# KiCad board wled-eth.versioned.kicad_pcb
title: WLED chain; date: 2025-12-01; rev: v0.49; company: CuVoodoo; note: King Kévin; note: CERN-OHL-S
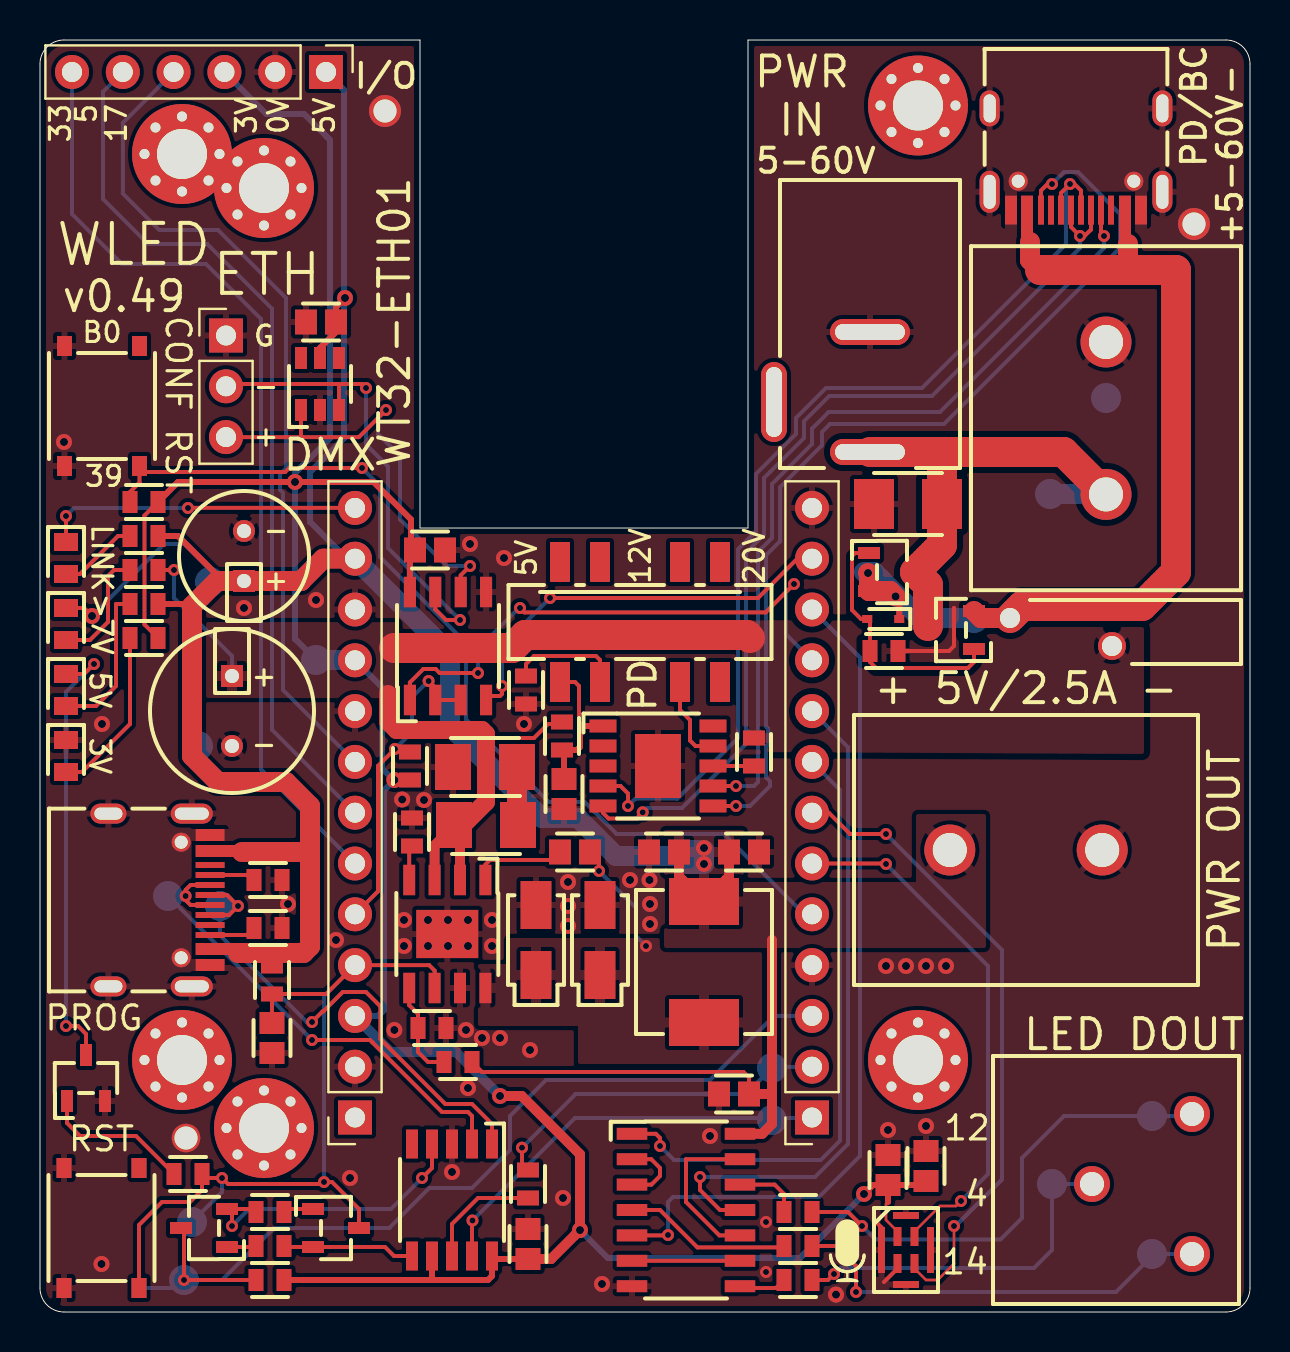
[diagram p0: board, top side]
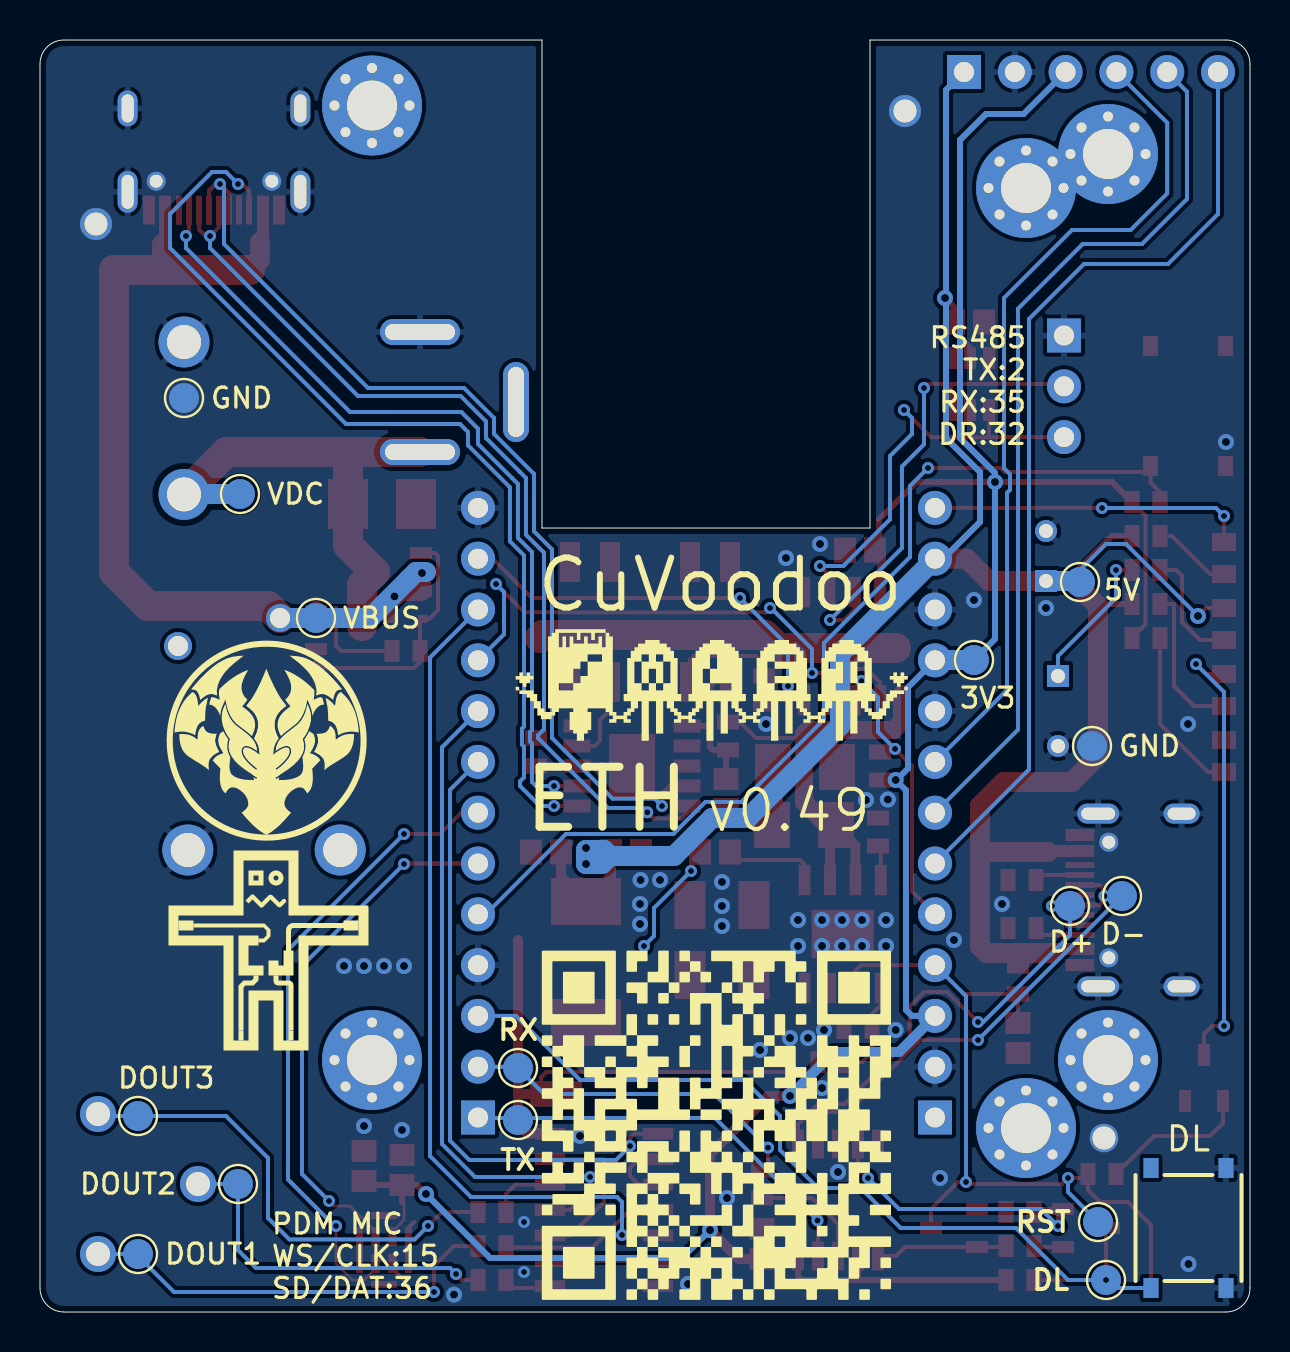
[diagram p1: board, bottom side, seen from below]

Outline 60.5 x 63.6 mm; copper layers: Top, Bottom. Coordinates in mm from the lower left corner of the outline.
Outline path: 0,62.4 0,1.2 arc(0.35,0.35) 1.2,0 59.3,0 arc(60.15,0.35) 60.5,1.2 60.5,62.4 arc(60.15,63.25) 59.3,63.6 35.4,63.6 35.4,39.2 19,39.2 19,63.6 1.2,63.6 arc(0.35,63.25) 0,62.4
Stack: Top 0.035mm / dielectric 1.51mm FR4 er 4.5 / Bottom 0.035mm

## Placement (name value [footprint] x y rotation side)
C1  47uF  [CAPPRD350W50D800H1200N]  9.6 30.05 0 top
C2  0.1uF  [CAPC1608X92N]  26.75 23 90 top
C3  0.1uF  [CAPC1608X92N]  24.4 3.4 180 top
C4  470uF  [CAPPRD250W50D630H700N]  10.2 37.8 180 top
C5  0.1uF  [CAPC1608X92N]  34.7 10.9 90 top
C6  0.1uF  [CAPC1608X92N]  19.5 38.1 270 top
C7  0.1uF  [CAPC1608X92N]  42.4 7.1 0 top
C8  1uF  [CAPC1608X92N]  44.3 7.3 0 top
C9  1uF  [CAPC1608X92N]  26.2 25.9 180 top
C10  10uF  [CAPC3216X180N]  22.3 24.35 90 top
C11  1uF  [CAPC1608X92N]  31.2 23 90 top
C12  1uF  [CAPC1608X92N]  35.2 23 270 top
C13  10uF  [CAPC3216X180N]  22.25 27.25 270 top
C14  1uF  [CAPC1608X92N]  11.6 13.7 180 top
C15  0.1uF  [CAPC1608X92N]  14.05 49.5 90 top
D1  5V6  [SODFL1608X65N]  42.16 34.65 270 top
D2  SS210  [UPM4326X290N]  24.8 18.6 180 top
D3  green  [UPC1608X90N]  1.3 34.4 0 top
D4  green  [UPC1608X90N]  1.3 31.1 0 top
D5  green  [UPC1608X90N]  1.3 27.8 0 top
D6  green  [UPC1608X90N]  1.3 37.7 0 top
D7  SS210  [UPM4326X290N]  28 18.6 180 top
D8  SRV05-4  [SOT95P280X120-6N]  14 46.4 90 top
F1  PTC  [VREG_JK60-185]  51.05 34 0 top
J1  USB-C  [CONNECTOR_USB-C_16P_U263-163N-4BLS1735]  4.2 20.6 90 top
J2  5V_SCREW  [CONNECTOR_MX25C-7.62-02P]  49.3 23.1 180 top
J3  5+V_SCREW  [CONNECTOR_MX25C-7.62-02P]  53.3 44.69 270 top
J4  8+V_JACK  [CONNECTOR_DC-005_2.0]  41.5 49.4 90 top
J5  I/O  [PinHeader_1x06_P2.54mm_Vertical]  14.3 62 270 top  (not fitted)
J6  DMX  [PinHeader_1x03_P2.54mm_Vertical]  9.3 48.83 0 top  (not fitted)
J7  USB-C  [CONNECTOR_USB-C_16P_U263-163N-4BLS1735]  51.8 59.4 0 top
J10  WT32-ETH01_left  [PinSocket_1x13_P2.54mm_Vertical]  15.75 9.72 180 top
J11  WT32-ETH01_right  [PinSocket_1x13_P2.54mm_Vertical]  38.6 9.72 180 top
J12  spring terminal  [CONNECTOR_KF250-3.5-03P-1]  53.8 6.6 270 top
L1  15uH  [INDUCTOR_FXL0630]  33.2 17.5 90 top
NOREF  -  [unnamed]  7.3 8.7 0 top
NOREF#2  -  [unnamed#2]  57.7 54.4 0 top
Q1  S8050  [SOT95P237X112-3N]  14.8 4.2 0 top
Q2  S8050  [SOT95P237X112-3N]  8.2 4.2 180 top
Q3  HL2309  [SOT95P237X112-3N]  42.6 37 0 top
Q4  HL2309  [SOT95P237X112-3N]  45.55 34.1 180 top
Q5  S8050  [SOT95P237X112-3N]  2.3 11.7 90 top
R1  5.1k  [UC1608X55N]  11.4 21.6 90 top
R2  5.1k  [UC1608X55N]  11.4 19.2 90 top
R3  10k  [UC1608X55N]  18.5 27.3 180 top
R4  100  [UC1608X55N]  37.9 3.3 90 top
R5  100  [UC1608X55N]  37.9 1.6 90 top
R6  100  [UC1608X55N]  37.9 5 90 top
R7  47k  [UC1608X55N]  5.2 37.1 270 top
R8  10k  [UC1608X55N]  5.2 35.4 270 top
R9  10k  [UC1608X55N]  5.2 33.7 270 top
R10  10k  [UC1608X55N]  5.2 38.8 270 top
R11  10k  [UC1608X55N]  11.5 3.3 90 top
R12  10k  [UC1608X55N]  11.5 5 270 top
R13  10k  [UC1608X55N]  11.5 1.6 270 top
R14  10k  [UC1608X55N]  5.2 40.5 270 top
R15  100  [UC1608X55N]  24.4 6.4 180 top
R16  100k  [UC1608X55N]  18.6 24 0 top
R17  47k  [UC1608X55N]  20.9 12.5 90 top
R18  8.2k  [UC1608X55N]  19.6 14.2 270 top
R19  1k  [UC1608X55N]  26.1 28.8 0 top
R20  24k  [UC1608X55N]  24.3 31.1 180 top
R21  10k  [UC1608X55N]  42.2 33.05 90 top
R22  100k  [UC1608X55N]  11.6 16.6 180 top
R23  10k  [UC1608X55N]  35.7 28 0 top
R24  10k  [UC1608X55N]  7.4 6.9 270 top
REF**  -  [MountingHole_2.5mm_Pad_Via]  43.9 60.33 0 top
REF**#2  -  [MountingHole_2.5mm_Pad_Via]  11.2 9.2 0 top
REF**#3  -  [MountingHole_2.5mm_Pad_Via]  43.9 12.6 0 top
REF**#4  -  [MountingHole_2.5mm_Pad_Via]  11.2 56.2 0 top
REF**#5  -  [MountingHole_2.5mm_Pad_Via]  7.1 57.9 0 top
REF**#6  -  [MountingHole_2.5mm_Pad_Via]  7.1 12.6 0 top
REF**#7  -  [NPTH]  17.25 60.05 0 top
REF**#8  -  [CuVoodoo_silk]  54.07 23.07 180 bottom
RV1  60V  [VARC3216X190N]  43.4 40.4 270 top
SW1  BTN  [MECHANICAL_TS-1187A]  3.07 4.2 90 top
SW2  BTN  [MECHANICAL_TS-1187A]  3.07 4.2 270 bottom  (not fitted)
SW3  BTN  [MECHANICAL_TS-1187A]  3.1 45.3 90 top
SW4  SW_DP3T  [MECHANICAL_MST23D18G2]  30 34.5 0 top
TP1  GND  [TestPoint_Pad_D1.5mm]  7.9 28.3 180 bottom
TP2  5V  [TestPoint_Pad_D1.5mm]  8.5 36.5 180 bottom
TP3  5+V  [TestPoint_Pad_D1.5mm]  50.5 40.9 180 bottom
TP4  3V3  [TestPoint_Pad_D1.5mm]  13.8 32.6 180 bottom
TP5  VBUS  [TestPoint_Pad_D1.5mm]  46.7 34.7 180 bottom
TP6  D-  [TestPoint_Pad_D1.5mm]  6.4 20.8 180 bottom
TP7  D+  [TestPoint_Pad_D1.5mm]  9 20.3 180 bottom
TP8  RX  [TestPoint_Pad_D1.5mm]  36.6 12.2 180 bottom
TP9  TX  [TestPoint_Pad_D1.5mm]  36.6 9.6 180 bottom
TP10  RST  [TestPoint_Pad_D1.5mm]  7.6 4.5 180 bottom
TP11  DL  [TestPoint_Pad_D1.5mm]  7.2 1.6 180 bottom
TP12  DOUT1  [TestPoint_Pad_D1.5mm]  55.6 2.9 180 bottom
TP13  DOUT2  [TestPoint_Pad_D1.5mm]  50.6 6.4 180 bottom
TP14  DOUT3  [TestPoint_Pad_D1.5mm]  55.6 9.8 180 bottom
TP15  GND  [TestPoint_Pad_D1.5mm]  53.3 45.7 180 bottom
U1  LMR16030  [SOP127P600X170-9N]  20.37 18.9 270 top
U2  CH340K  [SOP100P615X140-11N]  20.6 5.6 270 top
U3  WT32-ETH01  [DEVBOARD_WT32-ETH01]  27.17 30.6 180 top
U4  74HC14D  [SOIC127P600X175-14N]  32.3 5.1 0 top
U5  MP34DT05-A  [SENSOR_MP34DT05-A]  43.3 3.1 0 top
U6  MAX3485ESA  [SOP127P600X175-8N]  20.4 33.3 90 top
U7  CH224K  [SOP100P600X180-11N]  30.9 27.3 0 top

## Library data of the parts
C1 = -: Datasheet: https://datasheet.lcsc.com/lcsc/2110271330_CX-Dongguan-Chengxing-Elec-KM476M100F12RR0VH2FP0_C46895.pdf; Description: AEC 47uF 100V 8x12mm; MPN: KM476M100F12RR0VH2FP0; Manufacturer: CX(Dongguan Chengxing Elec); qeda_part: capacitor/cap_radial; qeda_variant: 8x12; JLCPCB_CORRECTION: 0;0;-90; LCSC: C46895; ki_fp_filters: qeda:CAPPRD350W50D800H1200N
C2 C3 C5-C7 C15 = -: Datasheet: https://datasheet.lcsc.com/lcsc/2211101700_YAGEO-CC0603KRX7R9BB104_C14663.pdf; Description: C0603 0.1uF 50V; qeda_part: capacitor/c0603; JLCPCB_CORRECTION: 0;0;-90; LCSC: C14663; JLCPCB: C14663; DigiKey: 311-1335-1-ND; Manufacturer: YAGEO; MPN: CC0603KRX7R9BB104; manufacturer: YAGEO; mpn: CC0603KRX7R9BB104; ki_fp_filters: qeda:CAPC1608X92N
C4 = -: Description: AEC 470uF 6.3V 6.3x7mm; qeda_part: capacitor/cap_radial; qeda_variant: 6.3x7; LCSC: C43328; ki_fp_filters: qeda:CAPPRD250W50D630H700N
C8 C9 C11 C12 C14 = -: Datasheet: https://datasheet.lcsc.com/lcsc/2304140030_Samsung-Electro-Mechanics-CL10A105KB8NNNC_C15849.pdf; Description: C0603 1uF 50V; qeda_part: capacitor/c0603; JLCPCB_CORRECTION: 0;0;-90; JLCPCB: C15849; Manufacturer: Samsung Electro-Mechanics; MPN: CL10A105KB8NNNC; manufacturer: Samsung Electro-Mechanics; mpn: CL10A105KB8NNNC; ki_fp_filters: qeda:CAPC1608X92N
C10 C13 = -: Datasheet: https://datasheet.lcsc.com/lcsc/2304140030_Samsung-Electro-Mechanics-CL31A106KBHNNNE_C13585.pdf; Description: C1206 10uF 50V; qeda_part: capacitor/c1206; JLCPCB_CORRECTION: 0;0;-90; JLCPCB: C13585; MPN: CL31A106KBHNNNE; Manufacturer: Samsung Electro-Mechanics; ki_fp_filters: qeda:CAPC3216X180N
D1 = -: Description: zener 5.6V 200mW; qeda_part: diode/zener; qeda_variant: sod523; JLCPCB_CORRECTION: 0;0;90; LCSC: C968206; JLCPCB: C19077464; ki_fp_filters: qeda:SODFL1608X65N
D2 D7 = -: Datasheet: https://datasheet.lcsc.com/lcsc/2304140030_MDD-Microdiode-Electronics--SS210_C14996.pdf; Description: schottky 100V 2A; Manufacturer: MDD（Microdiode Electronics）; qeda_part: diode/schottky; qeda_variant: SMA; JLCPCB_CORRECTION: 0;0;-90; LCSC: C14996; JLCPCB: C14996; ki_fp_filters: qeda:UPM4326X290N
D3-D6 = -: Datasheet: https://datasheet.lcsc.com/lcsc/1811101510_Everlight-Elec-19-217-GHC-YR1S2-3T_C72043.pdf; Description: LED green 0603; qeda_part: diode/led0603; JLCPCB_CORRECTION: 0;0;-90; LCSC: C72043; JLCPCB: C2986059; MPN: 19-217/GHC-YR1S2/3T; Manufacturer: Everlight Elec; Sim.Pin: 1=K 2=A; ki_fp_filters: qeda:UPC1608X90N
D8 = -: Datasheet: https://wmsc.lcsc.com/wmsc/upload/file/pdf/v2/lcsc/2506261420_hongjiacheng-SRV05-4A_C20615829.pdf; Description: TVS 4-line 5V; MPN: SRV05-4A; Manufacturer: hongjiacheng; qeda_part: tvs_srv05-4; LCSC: C20615829; JLCPCB: C20615829; ki_fp_filters: qeda:SOT95P280X120-6N
F1 = -: Datasheet: https://omo-oss-file.thefastfile.com/portal-saas/new2022090111484395596/cms/file/96a36e42-2262-4bf8-9c83-71b3fcc4236e.pdf; Description: PTC fuse 3.7A; qeda_part: vreg/fuse_jk60; qeda_variant: 185; LCSC: C369091; MPN: JK60-185; Manufacturer: Jinrui Electronic Materials Co.; ki_fp_filters: qeda:VREG_JK60-185
J1 = -: Datasheet: https://www.helloxkb.com/public/images/pdf/U263-16XN-4BS1735.pdf; Description: USB type-C receptacle 16p, SMD + 4 tabs; JLCPCB: C2931474; JLCPCB_CORRECTION: 0;1.45;180; LCSC: C2931474; qeda_part: connector/usb-c_16p; qeda_variant: U263-163N-4BLS1735; MPN: U263-163N-4BLS1735; Manufacturer: XKB Connection; ki_fp_filters: qeda:CONNECTOR_USB-C_16P_U263-163N-4BLS1735
J2 J3 = -: Datasheet: https://datasheet.lcsc.com/lcsc/2309150931_MAX-MX25C-7-62-02P-BK01-Cu-S-A_C5188509.pdf; Description: barrier terminal, 7.62mm, 2 pos; LCSC: C5188509; MPN: MX25C-7.62-02P-BK01-Cu-S-A; Manufacturer: MAX; manufacturer: MAX; mpn: MX7620-7.62-02P-GN01-Cu-S-A; qeda_part: connector/terminal-barrier_mx25c-7.62; qeda_variant: 2p; ki_fp_filters: qeda:CONNECTOR_MX25C-7.62-02P
J4 = -: Description: DC jack barrel 2x6.4mm; JLCPCB_CORRECTION: -3.4;-2.4;180; LCSC: C16214; qeda_part: connector/barrel_dc-005-2.0; ki_fp_filters: qeda:CONNECTOR_DC-005_2.0
J5 = -: Description: Generic connector, single row, 01x06, script generated (kicad-library-utils/schlib/autogen/connector/); LCSC: C37208; JLCPCB_CORRECTION: 0;6.3;-90; ki_fp_filters: Connector*:*_1x??_*
J6 = -: Description: Generic connector, single row, 01x03, script generated (kicad-library-utils/schlib/autogen/connector/); JLCPCB_CORRECTION: 0;0;-90; ki_fp_filters: Connector*:*_1x??_*
J7 = -: Datasheet: https://www.helloxkb.com/public/images/pdf/U263-16XN-4BS1735.pdf; Description: USB type-C receptacle 16p, SMD + 4 tabs; qeda_part: connector/usb-c_16p; qeda_variant: U263-163N-4BLS1735; JLCPCB_CORRECTION: 0;1.45;180; LCSC: C2931474; JLCPCB: C2931474; MPN: U263-163N-4BLS1735; Manufacturer: XKB Connection; ki_fp_filters: qeda:CONNECTOR_USB-C_16P_U263-163N-4BLS1735
J10 J11 = -: Description: Generic connector, single row, 01x13, script generated (kicad-library-utils/schlib/autogen/connector/); JLCPCB: C2897376; JLCPCB_CORRECTION: 0;15.2;-90; ki_fp_filters: Connector*:*_1x??_*
J12 = -: Datasheet: https://a3.ldycdn.com/KF250-3.5-aidqkBpqKirRljSkrnijolli.pdf; Description: spring terminal block, 3.5mm pitch, vertical, 3-pin; qeda_part: connector/terminal-spring_kf250-3.5; qeda_variant: 3p-1; JLCPCB_CORRECTION: 0.15;-1.3;0; LCSC: C475155; MPN: KF250-3.5-3P-1; Manufacturer: Cixi Kefa Elec; ki_fp_filters: qeda:CONNECTOR_KF250-3.5-03P-1
L1 = -: Datasheet: https://datasheet.lcsc.com/lcsc/2305161117_cjiang--Changjiang-Microelectronics-Tech-FXL0630-150-M_C177243.pdf; Description: 15uH 3A; MPN: FXL0630-150-M; Manufacturer: cjiang (Changjiang Microelectronics Tech); qeda_part: inductor/fxl; qeda_variant: 0603; LCSC: C177243; ki_fp_filters: qeda:INDUCTOR_FXL0630
Q1 Q2 Q5 = -: Datasheet: https://datasheet.lcsc.com/lcsc/2303221100_Jiangsu-Changjing-Electronics-Technology-Co---Ltd--SS8050-RANGE-200-350_C2150.pdf; Description: NPN 25V 1.5A; JLCPCB_CORRECTION: 0;0;180; JLCPCB: C2150; MPN: SS8050(RANGE:200-350); Manufacturer: Jiangsu Changjing Electronics Technology Co., Ltd.; ki_fp_filters: qeda:SOT95P237X112-3N
Q3 Q4 = -: Datasheet: https://wmsc.lcsc.com/wmsc/upload/file/pdf/v2/lcsc/2410010233_hongjiacheng-HL2309_C28646263.pdf; Description: pMOS 60V 1.25A; qeda_part: transistor/pmos_40p05; JLCPCB: C28646263; Manufacturer: hongjiacheng; ki_fp_filters: qeda:SOT95P237X112-3N
R1 R2 = -: Datasheet: resistor, chip, 1.6x0.8 mm; Description: R0603 5.1K 1%; JLCPCB: C23186; JLCPCB_CORRECTION: 0;0;-90; LCSC: C23186; MPN: 0603WAF5101T5E; Manufacturer: UNI-ROYAL(Uniroyal Elec); name: resistor, chip, 1.6x0.8 mm; qeda_part: resistor/r0603; ki_fp_filters: qeda:UC1608X55N
R3 R11-R14 R21 R24 = -: Datasheet: https://datasheet.lcsc.com/lcsc/2206010045_UNI-ROYAL-Uniroyal-Elec-0603WAF1002T5E_C25804.pdf; Description: R0603 10k 1%; qeda_part: resistor/r0603; JLCPCB_CORRECTION: 0;0;-90; name: resistor, chip, 1.6x0.8 mm; LCSC: C25804; Manufacturer: UNI-ROYAL(Uniroyal Elec); MPN: 0603WAF1002T5E; manufacturer: UNI-ROYAL(Uniroyal Elec); mpn: 0603WAF1002T5E; ki_fp_filters: qeda:UC1608X55N
R4-R6 R15 = -: Datasheet: https://datasheet.lcsc.com/lcsc/2206010130_UNI-ROYAL-Uniroyal-Elec-0603WAF1000T5E_C22775.pdf; Description: R0603 100 1%; qeda_part: resistor/r0603; JLCPCB_CORRECTION: 0;0;-90; LCSC: C22775; JLCPCB: C22775; Manufacturer: UNI-ROYAL(Uniroyal Elec); MPN: 0603WAF1000T5E; ki_fp_filters: qeda:UC1608X55N
R7 = -: Datasheet: https://datasheet.lcsc.com/lcsc/2206010045_UNI-ROYAL-Uniroyal-Elec-0603WAF4702T5E_C25819.pdf; Description: R0603 47k 1%; qeda_part: resistor/r0603; JLCPCB_CORRECTION: 0;0;-90; LCSC: C25804; JLCPCB: C25819; MPN: 0603WAF4702T5E; Manufacturer: UNI-ROYAL(Uniroyal Elec); ki_fp_filters: qeda:UC1608X55N
R8-R10 R23 = -: Datasheet: https://datasheet.lcsc.com/lcsc/2206010045_UNI-ROYAL-Uniroyal-Elec-0603WAF1002T5E_C25804.pdf; Description: R0603 10k 1%; qeda_part: resistor/r0603; JLCPCB_CORRECTION: 0;0;-90; LCSC: C25804; MPN: 0603WAF1002T5E; Manufacturer: UNI-ROYAL(Uniroyal Elec); ki_fp_filters: qeda:UC1608X55N
R16 R22 = -: Datasheet: https://datasheet.lcsc.com/lcsc/2206010045_UNI-ROYAL-Uniroyal-Elec-0603WAF1003T5E_C25803.pdf; Description: R0603 100k 1%; MPN: 0603WAF1003T5E; Manufacturer: UNI-ROYAL(Uniroyal Elec); qeda_part: resistor/r0603; JLCPCB_CORRECTION: 0;0;-90; LCSC: C25803; JLCPCB: C25803; ki_fp_filters: qeda:UC1608X55N
R17 = -: Datasheet: https://datasheet.lcsc.com/lcsc/2206010045_UNI-ROYAL-Uniroyal-Elec-0603WAF4702T5E_C25819.pdf; Description: R0603 47k 1%; MPN: 0603WAF4702T5E; Manufacturer: UNI-ROYAL(Uniroyal Elec); qeda_part: resistor/r0603; JLCPCB_CORRECTION: 0;0;-90; JLCPCB: C25819; ki_fp_filters: qeda:UC1608X55N
R18 = -: Datasheet: https://datasheet.lcsc.com/lcsc/2206010045_UNI-ROYAL-Uniroyal-Elec-0603WAF8201T5E_C25981.pdf; Description: R0603 8.2k; MPN: 0603WAF8201T5E; Manufacturer: UNI-ROYAL(Uniroyal Elec); qeda_part: resistor/r0603; JLCPCB_CORRECTION: 0;0;-90; LCSC: C25981; JLCPCB: C25981; ki_fp_filters: qeda:UC1608X55N
R19 = -: Datasheet: https://datasheet.lcsc.com/lcsc/2206010130_UNI-ROYAL-Uniroyal-Elec-0603WAF1001T5E_C21190.pdf; Description: R0603 1k 1%; qeda_part: resistor/r0603; JLCPCB_CORRECTION: 0;0;-90; LCSC: C21190; JLCPCB: C21190; MPN: 0603WAF1001T5E; Manufacturer: UNI-ROYAL(Uniroyal Elec); ki_fp_filters: qeda:UC1608X55N
R20 = -: Datasheet: https://datasheet.lcsc.com/lcsc/2206010100_UNI-ROYAL-Uniroyal-Elec-0603WAF2402T5E_C23352.pdf; Description: R0603 24k; qeda_part: resistor/r0603; JLCPCB_CORRECTION: 0;0;-90; LCSC: C23352; MPN: 0603WAF2402T5E; Manufacturer: UNI-ROYAL(Uniroyal Elec); ki_fp_filters: qeda:UC1608X55N
RV1 = -: Datasheet: https://wmsc.lcsc.com/wmsc/upload/file/pdf/v2/lcsc/2504101957_RUILON-Shenzhen-Ruilongyuan-Elec-RL1206A120K_C44447642.pdf; Description: MOV varistor 60V; Sim.Name: kicad_builtin_varistor; Sim.Device: SUBCKT; Sim.Pins: 1=A 2=B; Sim.Params: threshold=1k; MPN: RL1206A120K; Manufacturer: RUILON(Shenzhen Ruilongyuan Elec); qeda_part: resistor/varistor_mov; qeda_variant: 1206; JLCPCB_CORRECTION: 0;0;-90; LCSC: C44447642; ki_fp_filters: qeda:VARC3216X190N
SW1-SW3 = -: Datasheet: https://www.helloxkb.com/public/images/pdf/TS-1187A-X-X-X.pdf; Description: SMD, momentary, 5.1x5.1mm, 50mA@12VDC; MPN: TS-1187A-B-A-B; Manufacturer: XKB; qeda_part: mechanical/smd-button_tx-1187a; LCSC: C318884; JLCPCB: C318884; ki_fp_filters: qeda:MECHANICAL_TS-1187A
SW4 = -: Datasheet: https://datasheet.lcsc.com/lcsc/2110190930_SHOU-HAN-MST23D18G2-125_C2906281.pdf; Description: switch DP3T; qeda_part: mechanical/switch_mst23d18g2; LCSC: C2906281; MPN: MST23D18G2 125; Manufacturer: SHOU HAN; ki_fp_filters: qeda:MECHANICAL_MST23D18G2
TP1-TP15 = -: Description: test point; ki_fp_filters: Pin* Test*
U1 = -: Datasheet: https://www.ti.com/lit/gpn/lmr16030; Description: buck 4.53-60V 3A; MPN: LMR16030PDDAR; Manufacturer: Texas Instruments; qeda_part: vreg/buck_lmr16030; qeda_variant: PDDAR; JLCPCB_CORRECTION: 0;0;-90; LCSC: C90665; ki_fp_filters: qeda:SOP127P600X170-9N
U2 = -: Datasheet: http://www.wch-ic.com/downloads/file/79.html; Description: USB to UART transceiver; Manufacturer: WCH; qeda_part: ic/usb-serial_ch340; qeda_variant: K; JLCPCB_CORRECTION: 0;0;-90; LCSC: C968586; ki_fp_filters: qeda:SOP100P615X140-11N
U3 = -: Datasheet: https://img01.71360.com/file/read/www2/M00/58/3F/rBwBEmRwFCWAaOK7AAvlVcuqEQk621.pdf?dl=1&dlf=WT32-ETH01_datasheet_V1.3+-+en.pdf; Description: ESP32 board with ethernet; qeda_part: devboard/wt32-eth01; LCSC: C477837; ki_fp_filters: qeda:DEVBOARD_WT32-ETH01
U4 = -: Datasheet: https://assets.nexperia.com/documents/data-sheet/74HC_HCT14.pdf; Description: 6x schmitt trigger inverter; qeda_part: ic/inverter_74hc14; qeda_variant: D; JLCPCB_CORRECTION: 0;0;-90; JLCPCB: C5605; MPN: 74HC14D,653; Manufacturer: Nexperia; ki_fp_filters: qeda:SOIC127P600X175-14N
U5 = -: Datasheet: https://www.st.com/resource/en/datasheet/mp34dt05-a.pdf; Description: MEMS microphone with PDM; JLCPCB_CORRECTION: 0;0;180; LCSC: C2688664; MPN: MP34DT05TR-A; Manufacturer: STMicroelectronics; manufacturer: STMicroelectronics; mpn: MP34DT05TR-A; qeda_part: sensor/microphone-pdm_mp34dt05-a; ki_fp_filters: qeda:SENSOR_MP34DT05-A
U6 = -: Datasheet: https://www.analog.com/media/en/technical-documentation/data-sheets/MAX3483-MAX3491.pdf; Description: RS-485 transceiver, 3V; qeda_part: ic/rs485_mx3485; qeda_variant: esa; JLCPCB_CORRECTION: 0;0;-90; LCSC: C2841835; ki_fp_filters: qeda:SOP127P600X175-8N
U7 = -: Datasheet: https://www.wch-ic.com/downloads/CH224DS1_PDF.html; Description: USB PD sink; qeda_part: ic/pd_wch_ch224; qeda_variant: K; JLCPCB_CORRECTION: 0;0;-90; LCSC: C970725; Manufacturer: WCH; ki_fp_filters: qeda:SOP100P600X180-11N

## Footprints (pads in the part's own frame, mm; a bottom-side part is the same pattern mirrored in y, then rotated)
CAPC1608X92N
  rect 1.25x1.1 smd: 1(0,0.75) 2(0,-0.75)
CAPC3216X180N
  rect 2.3x1.8 smd: 1(0,1.6) 2(0,-1.6)
CAPPRD250W50D630H700N
  rect 1.1x1.1 hole 0.7: 1(0,1.25)
  round 1.1 hole 0.7: 2(0,-1.25)
CAPPRD350W50D800H1200N
  rect 1.1x1.1 hole 0.7: 1(0,1.75)
  round 1.1 hole 0.7: 2(0,-1.75)
CONNECTOR_DC-005_2.0
  oval 1.3x4 hole 0.8x3.5: 1(-6.4,0) 2(-0.4,0)
  oval 4x1.3 hole 3.5x0.8: 3(-3.9,4.8)
CONNECTOR_KF250-3.5-03P-1
  round 1.8 hole 1.2: 1(-3.3,3.8) 2(0.2,-1.2) 3(3.7,3.8)
CONNECTOR_MX25C-7.62-02P
  round 2.55 hole 1.7: 1(-3.81,0) 2(3.81,0)
CONNECTOR_USB-C_16P_U263-163N-4BLS1735
  rect 0.3x1.45 smd: A1(3.4,-4.305) A4(2.6,-4.305) A5(1.25,-4.305) A6(0.25,-4.305) A7(-0.25,-4.305) A8(-1.25,-4.305) A9(-2.6,-4.305) A12(-3.4,-4.305) B1(-3.1,-4.305) B4(-2.3,-4.305) B5(-1.75,-4.305) B6(-0.75,-4.305) B7(0.75,-4.305) B8(1.75,-4.305) B9(2.3,-4.305) B12(3.1,-4.305)
  oval 1x1.8 hole 0.6x1.4: S1(-4.32,0.78) S1(4.32,0.78)
  oval 1x2.1 hole 0.6x1.7: S1(-4.32,-3.39) S1(4.32,-3.39)
  round 0.95 hole 0.65: S1(-2.89,-2.86) S1(2.89,-2.86)
INDUCTOR_FXL0630
  rect 2.35x3.5 smd: 1(-3.025,0) 2(3.025,0)
MECHANICAL_MST23D18G2
  rect 1x2 smd: 1(-4,-3) 2(-2,-3) 3(2,-3) 4(4,-3) 5(-4,3) 6(-2,3) 7(2,3) 8(4,3)
MECHANICAL_TS-1187A
  rect 1x0.75 smd: 1(-3,1.875) 2(3,1.875) 3(-3,-1.875) 4(3,-1.875)
MountingHole_2.5mm_Pad_Via
  round 0.8 hole 0.5: 1(-1.875,0) 1(-1.326,1.326) 1(-1.326,-1.326) 1(0,1.875) 1(0,-1.875) 1(1.326,1.326) 1(1.326,-1.326) 1(1.875,0)
  round 5 hole 2.5: 1(0,0)
NPTH
  round 1.6 hole 1.152: (0,0)
PinHeader_1x03_P2.54mm_Vertical
  rect 1.7x1.7 hole 1: 1(0,0)
  oval 1.7x1.7 hole 1: 2(0,-2.54) 3(0,-5.08)
PinHeader_1x06_P2.54mm_Vertical
  rect 1.7x1.7 hole 1: 1(0,0)
  oval 1.7x1.7 hole 1: 2(0,-2.54) 3(0,-5.08) 4(0,-7.62) 5(0,-10.16) 6(0,-12.7)
PinSocket_1x13_P2.54mm_Vertical
  rect 1.7x1.7 hole 1: 1(0,0)
  oval 1.7x1.7 hole 1: 2(0,-2.54) 3(0,-5.08) 4(0,-7.62) 5(0,-10.16) 6(0,-12.7) 7(0,-15.24) 8(0,-17.78) 9(0,-20.32) 10(0,-22.86) 11(0,-25.4) 12(0,-27.94) 13(0,-30.48)
SENSOR_MP34DT05-A
  rect 0.4x0.95 smd: 1(-0.425,0.675) 2(-0.425,-0.675) 3(0.425,-0.675) 4(0.425,0.675)
  rect 0.35x2.3 smd: 5(-1.225,0) 5(1.225,0)
  rect 1.3x0.35 smd: 5(0,1.725) 5(0,-1.725)
SODFL1608X65N
  rect 0.4x0.5 smd: 1(0,0.8) 2(0,-0.8)
SOIC127P600X175-14N
  rect 1.525x0.6 smd: 1(-2.7,3.81) 2(-2.7,2.54) 3(-2.7,1.27) 4(-2.7,0) 5(-2.7,-1.27) 6(-2.7,-2.54) 7(-2.7,-3.81) 8(2.7,-3.81) 9(2.7,-2.54) 10(2.7,-1.27) 11(2.7,0) 12(2.7,1.27) 13(2.7,2.54) 14(2.7,3.81)
SOP100P600X180-11N
  rect 1.35x0.65 smd: 1(-2.75,2) 2(-2.75,1) 3(-2.75,0) 4(-2.75,-1) 5(-2.75,-2) 6(2.75,-2) 7(2.75,-1) 8(2.75,0) 9(2.75,1) 10(2.75,2)
  rect 2.3x3.2 smd: 11(0,0)
SOP100P615X140-11N
  rect 1.45x0.6 smd: 1(-2.8,2) 2(-2.8,1) 3(-2.8,0) 4(-2.8,-1) 5(-2.8,-2) 6(2.8,-2) 7(2.8,-1) 8(2.8,0) 9(2.8,1) 10(2.8,2)
SOP127P600X170-9N
  rect 1.525x0.6 smd: 1(-2.7,1.905) 2(-2.7,0.635) 3(-2.7,-0.635) 4(-2.7,-1.905) 5(2.7,-1.905) 6(2.7,-0.635) 7(2.7,0.635) 8(2.7,1.905)
  rect 2.41x3.1 smd: 9(0,0)
SOP127P600X175-8N
  rect 1.525x0.6 smd: 1(-2.7,1.905) 2(-2.7,0.635) 3(-2.7,-0.635) 4(-2.7,-1.905) 5(2.7,-1.905) 6(2.7,-0.635) 7(2.7,0.635) 8(2.7,1.905)
SOT95P237X112-3N
  rect 1.1x0.6 smd: 1(-1.15,0.95) 2(-1.15,-0.95) 3(1.15,0)
SOT95P280X120-6N
  rect 1.1x0.6 smd: 1(-1.3,0.95) 2(-1.3,0) 3(-1.3,-0.95) 4(1.3,-0.95) 5(1.3,0) 6(1.3,0.95)
TestPoint_Pad_D1.5mm
  round 1.5 smd: 1(0,0)
UC1608X55N
  rect 1.1x0.75 smd: 1(0,0.7) 2(0,-0.7)
unnamed
  round 1.43 hole 1.152: e(0,0)
unnamed#2
  round 1.6 hole 1.152: (0,0)
UPC1608X90N
  rect 1.2x0.9 smd: 1(0,0.8) 2(0,-0.8)
UPM4326X290N
  rect 1.55x2.4 smd: 1(0,1.75) 2(0,-1.75)
VARC3216X190N
  rect 2.5x2 smd: 1(0,1.7) 2(0,-1.7)
VREG_JK60-185
  round 1.4 hole 1: 1(-2.55,0.7) 2(2.55,-0.7)

## Nets
+3.3V: C3.1 C6.2 C7.2 C8.2 J5.3 J10.3 J10.10 R3.1 R9.1 R13.1 R14.1 TP4.1 U2.7 U2.10 U5.1 U6.8
+5V: C4.1 C5.2 C11.2 C12.2 C15.2 D3.1 D8.5 J1.A4 J1.A9 J1.B4 J1.B9 J2.2 J5.1 J10.12 L1.2 R8.1 R10.1 R17.2 R22.2 TP2.1 U4.14
/VBUS: D1.1 F1.1 J7.A4 J7.A9 J7.B4 J7.B9 Q3.2 Q4.2 TP5.1
GND: C1.2 C3.2 C4.2 C5.1 C6.1 C7.1 C8.1 C9.1 C11.1 C12.1 C13.2 C14.1 C15.1 D2.2 D5.1 D7.2 D8.2 J1.A1 J1.A12 J1.B1 J1.B12 J1.S1 J2.1 J3.1 J4.2 J5.2 J6.1 J7.A1 J7.A12 J7.B1 J7.B12 J7.S1 J10.2 J10.9 J10.11 J11.4 J11.13 NOREF.e NOREF#2. Q5.2 R1.2 R2.2 R16.1 R18.1 R20.1 R21.2 REF**#7. RV1.2 SW1.1 SW1.2 SW2.1 SW2.2 SW3.1 SW3.2 TP1.1 TP15.1 U1.7 U1.9 U2.3 U4.7 U5.2 U5.5 U6.5 U7.11
VDD: C9.2 R19.2 SW4.1 U7.1
/CC1: J7.A5 U7.7
/CC2: J7.B5 U7.6
/D1+: D8.1 J6.3 U6.6
/D1-: D8.3 J6.2 U6.7
/D+: J1.A6 J1.B6 TP7.1 U2.1
/D-: J1.A7 J1.B7 TP6.1 U2.2
/DL: J11.3 Q2.3 R13.2 SW2.4 TP11.1
/DMX_RTS: J10.5 R3.2 U6.2 U6.3
/DMX_RX: J11.10 U6.1
/DMX_TX: J11.12 U6.4
/DOUT1: J11.8 U4.1
/DOUT1_5V: R4.1 U4.4
/DOUT1_INV: U4.2 U4.3
/DOUT2: J11.11 U4.5
/DOUT2_5V: R5.1 U4.8
/DOUT2_INV: U4.6 U4.9
/DOUT3: J11.9 U4.11
/DOUT3_5V: R6.1 U4.12
/DOUT3_INV: U4.10 U4.13
/DTR: Q2.2 R12.2 U2.4
/IO1: J5.6 J10.6
/IO2: J5.5 J10.7
/IO3: J5.4 J10.8
/LINK: D6.1 J10.13
/PDM_CLK: J11.7 U5.3
/PDM_DAT: J11.6 U5.4
/RST: C14.2 J10.4 Q1.3 R22.1 R24.1 SW1.3 TP10.1 U1.6
/RTS: Q1.2 R11.2 U2.6
/RX: J11.2 R15.2 TP8.1
/SW: C2.2 D2.1 D7.1 L1.1 U1.8
/TX: J11.1 TP9.1 U2.9
/VFUSE: C1.1 C10.1 F1.2 R7.1 R19.1 R23.1 U1.2 U1.3
VDC: J3.2 J4.1 Q3.3 Q4.3 RV1.1 TP3.1
Net-(C10-Pad2): C10.2 C13.1
Net-(D1-A): D1.2 Q3.1 Q4.1 R21.1
Net-(D3-A): D3.2 R7.2
Net-(D4-A): D4.2 R8.2
Net-(D4-K): D4.1 Q5.3
Net-(D5-A): D5.2 R9.2
Net-(D6-A): D6.2 R10.2
Net-(J1-CC1): J1.A5 R1.1
Net-(J1-CC2): J1.B5 R2.1
Net-(J11-Pin_5): J11.5 R14.2 SW3.3
Net-(J12-Pin_1): J12.1 R6.2 TP14.1
Net-(J12-Pin_2): J12.2 R5.2 TP13.1
Net-(J12-Pin_3): J12.3 R4.2 TP12.1
Net-(Q1-B): Q1.1 R12.1
Net-(Q2-B): Q2.1 R11.1
Net-(Q5-B): Q5.1 R24.2
Net-(R15-L): R15.1 U2.8
Net-(R16-R): R16.2 U1.4
Net-(R17-L): R17.1 R18.2 U1.5
Net-(R20-R): R20.2 SW4.2
Net-(R23-R): R23.2 U7.8
Net-(U1-BOOT): C2.1 U1.1
Net-(U7-CFG1): SW4.3 U7.9
Net-(U7-DM): J7.A7 J7.B7 U7.5
Net-(U7-DP): J7.A6 J7.B6 U7.4

Pads without a net: D8 4 6; J1 A8 B8; J4 3; J7 A8 B8; J10 1; REF** 1; REF**#2 1; REF**#3 1; REF**#4 1; REF**#5 1; REF**#6 1; SW1 4; SW2 3; SW3 4; SW4 4 5 6 7 8; U2 5; U7 2 3 10

## Via types
v1: diameter 0.8, hole 0.4, Top to Bottom, 58 vias
v2: diameter 0.6, hole 0.3, Top to Bottom, 50 vias

## Routing (per net, layer and track width the routed paths; a pad name or vN(x,y) marks a point on that pad's centre or on a via; arc(x,y) is an arc through that point)
+3.3V: length 139.6
  Top w0.13: 42.88,3.78 42.88,4.03 42.3,4.6 42.3,5.4 42.4,5.5
  Top w0.2: R14.1 5.23,39.83 5.23,34.38 R9.1
  Top w0.3: C7.2 42.4,5.5 ; C7.2 44.3,6.35 ; C7.2 41.65,6.35 v1(41.2,5.9) ; R14.1 6.9,41.5 v1(12.75,41.5) 16.68,41.5 18.55,39.63 18.55,38.3 C6.2 18.49,37.84 U6.8 ; v1(17.72,26.6) R3.1 ; C3.1 22.75,2.65 U2.10 22.6,1.8 22.4,1.6 R13.1 ; 19.6,1.6 U2.7
  Top w0.5: C3.1 25.55,2.65 v1(27,4.1) 27,7.89 24.09,10.8 v1(23,10.8)
  Bottom w0.3: J10.3 16.91,14.81 17.2,15.1 17.2,26.08 v1(17.72,26.6) 17.67,26.6 17.1,27.17 17.1,31.23 J10.10 ; J5.3 11.32,59.9 13.2,59.9 14.5,58.6 14.5,43.7 12.75,41.95 v1(12.75,41.5) 12.75,33.65 13.81,32.58 ; v1(41.2,5.9) 38,2.7 28.4,2.7 v1(27,4.1)
  Bottom w0.5: v1(23,10.8) 20.8,13 17.54,13 15.74,14.8
  Bottom w1: J10.10 15.73,32.6 TP4.1
+5V: length 155.3
  Top w0.2: R17.2 22.1,12 35.17,12 35.45,11.72 C5.2 ; D3.1 2.2,35.2 v1(2.6,34.8)
  Top w0.3: 8.85,36.55 8.85,36.85 6.9,38.8 R10.1 ; R8.1 7.7,35.4 ; J1.A9 9.9,18 10,18.1 9.8,18.3 J1.B4 ; v1(15.25,50.7) 14.8,50.25 C15.2 14.8,49 14,48.2 D8.5 ; J1.A4 9.9,23.2 10.1,23 10,22.9 J1.B9
  Top w0.5: C11.2 31.95,21.78 L1.2 34.45,21.78 C12.2 ; U4.14 36.11,8.91 36.6,9.4 36.6,10.9 ; 36.6,10.9 C5.2 ; 36.6,10.9 36.6,18.6
  Top w1: C4.1 13.05,36.55 ; 13.05,36.55 8.85,36.55 7.6,35.3 7.6,27.8 8.9,26.5 12.3,26.5 13.5,25.3 13.5,23.1 13.4,23 ; 13.05,36.55 14.16,37.67 J10.12 ; 13.4,23 13.5,22.9 13.5,18.28 13.17,17.95 9.9,17.95 ; 13.4,23 10.1,23
  Bottom w0.2: TP2.1 8.5,37.1 7.2,38.4 6.2,38.4 v1(2.6,34.8)
  Bottom w0.3: J10.12 15.34,37.67 13.5,39.5 13.5,41.99 15.2,43.69 15.2,61.1 J5.1
  Bottom w1: 32,22.8 28.8,22.8 26.9,24.7 25.1,24.7 20.5,29.3 20.5,32.92 15.95,37.46 ; 32,22.8 32.3,23.1 33.2,23.1 v1(33.2,22.4) 32.4,22.4 32,22.8 ; 8.6,36.5 8.65,36.55 C4.1
  vias: v1(33.2,23.2)
/VBUS: length 54.6
  Top w0.3: J7.B9 54.1,53.4 ; J7.A4 54.4,53.4 ; v1(42.78,35.78) 42.96,35.59 D1.1 ; J7.A9 49.2,53.5 ; J7.B4 49.5,53.5
  Top w1: Q4.2 47.05,34.7 F1.1 ; v1(42.78,35.78) 42.51,36.05 Q3.2 41.45,36.9 v1(41.4,36.95) ; 49.5,53.5 49.5,52.6 50,52.1 ; 54.4,52.1 54.4,53.4
  Top w1.5: 54.2,52.1 56.8,52.1 56.8,37 55.1,35.3 49.1,35.3 F1.1 ; 54.4,52.1 50,52.1
  Bottom w1: 41.2,37 41.7,37 44,34.7 TP5.1 F1.1
GND: length 7.7
  Top w0.2: 42.2,1.5 42.88,2.17 U5.2 ; 41.8,4.5 42.08,4.22 U5.5 ; 45.7,35 45.7,35.2 45.7,33.3 45.45,33.05 R21.2
  vias: v1(1.2,43.5) v1(3.1,29.4) v1(3.07,2.4) v1(10.2,35.2) v1(12.4,20.4) v1(13.8,35.6) v1(14.8,18.6) v1(15.5,6.7) v1(17.72,14.1) v1(18.11,25.62) v1(18.2,19.6) v1(18.2,18.3) v1(19.2,25.6) v1(19.4,19.6) v1(19.4,18.3) v1(20.4,19.6) v1(20.4,18.3) v1(20.6,7) v1(21.3,14.1) v1(21.4,19.6) v1(21.4,18.3) v1(21.4,11.2) v1(21.5,38.4) v1(22.1,13.7) v1(22.6,19.6) v1(22.6,18.3) v1(23,13.7) v1(23.2,37.7) v1(24.2,29.4) v1(24.5,13.1) v1(26.15,5.7) v1(26.4,21.5) v1(26.4,20.3) v1(26.4,19.3) v1(28.1,1.4) v1(29.5,21.6) v1(30.48,21.6) v1(30.5,20.4) v1(30.5,19.4) v1(33.5,8.8) v1(39.8,0.87) v1(42.3,17.3) v1(42.4,9.1) v1(43.3,17.3) v1(44.3,17.3) v1(44.3,9.3) v1(45.3,17.3) v2(36.3,4.5) v2(36.3,2)
VDD: length 7.8
  Top w0.2: 27.15,29.3 26.95,29.5 26.95,31.3 26.75,31.5 25.9,31.5
  Top w0.3: U7.1 27.15,29.3 27,29.15 27,28.25 26.85,28.1 R19.2 26.2,28 C9.2 ; 25.9,31.6 25.9,31.55
/CC1: length 41.5
  Top w0.2: J7.A5 53.05,53.95 v2(53.2,53.8) ; v2(34.8,26.3) U7.7
  Bottom w0.2: v2(53.2,53.8) 53.2,53.2 45,45 39.43,45 38.6,44.17 38.6,43.57 38.6,43.57 38.6,43.53 38.6,43.4 36.9,41.7 36.6,41.4 36.6,38.7 35.9,38 35.9,29.1 36,29 36,28.53 35.9,28.43 35.9,26.5 35.7,26.3 v2(34.8,26.3)
/CC2: length 48.9
  Top w0.2: v2(34.8,25.3) U7.6 ; v2(50.6,56.4) 50.38,56.4 50.05,56.07 J7.B5
  Bottom w0.2: v2(34.8,25.3) 35.5,25.3 36.5,26.3 36.5,26.53 36.3,26.73 36.3,28.27 36.4,28.37 36.4,29.17 36.3,29.27 36.3,37.83 37,38.54 37,41.24 39.1,43.33 39.1,44 39.5,44.4 45.2,44.4 54,53.2 54,54.9 51.9,57 51.2,57 v2(50.6,56.4)
/D1+: length 22
  Top w0.2: 13.1,43.75 J6.3 ; 13.1,43.75 13.05,43.8 D8.1 ; 13.1,43.75 15.95,43.75 v2(17.3,45.1) ; U6.6 21.03,36.83 v2(21.5,37.3)
  Bottom w0.2: v2(21.5,37.3) 20.33,37.3 18,39.63 18,42.8 16.9,43.9 16.9,44.7 v2(17.3,45.1)
/D1-: length 24.3
  Top w0.2: 14.9,46.4 14.95,46.35 D8.3 ; 14.9,46.4 9.41,46.4 J6.2 ; 14.9,46.4 16.1,46.4 v2(16.3,46.2) ; v2(21,34.6) 20.3,34.6 19.77,35.14 U6.7
  Bottom w0.2: v2(21,34.6) 17.4,38.2 17.4,42.27 16.3,43.37 v2(16.3,46.2)
/D+: length 25.4
  Top w0.2: J1.B6 9.45,19.85 v2(9.9,20.3) 9.35,20.85 J1.A6 ; U2.1 22.6,9.4 21.6,10.4 20.27,10.4 17.02,13.65 17.02,15.28 16.3,16 15.14,16 14.16,15.03 14.13,15.03 v2(13.6,14.5)
  Bottom w0.2: TP7.1 9,18.84 13.34,14.5 v2(13.6,14.5)
/D-: length 24.9
  Top w0.2: J1.B7 7.53,21.35 7.28,21.1 v2(7.28,20.8) 7.28,20.6 7.53,20.35 J1.A7 ; v2(13.6,13.6) 16.5,13.6 16.62,13.48 20.1,10 21.4,10 21.6,9.8 U2.2
  Bottom w0.2: v2(13.6,13.6) TP6.1 ; v2(7.28,20.8) 6.7,20.8 6.68,20.83
/DL: length 46
  Top w0.2: Q2.3 7.2,4.05 v2(7.2,1.6) R13.2
  Bottom w0.2: SW2.4 6.8,1.2 ; v2(7.2,1.6) 9.1,1.6 11.7,4.2 17.47,4.2 19.47,6.2 21.6,6.2 23.5,8.1 23.5,9.8 25.3,11.6 33.5,11.6 36.7,14.81 J11.3
/DMX_RTS: length 15.6
  Top w0.2: U6.3 U6.2 19.77,31.21 v2(19.43,31.55) ; v2(17.75,28.15) 16.9,27.3 16.9,21.04 J10.5
  Bottom w0.2: v2(17.75,28.15) 17.75,28.15 17.75,28.16 18.6,29 18.6,30.73 19.27,31.41 19.3,31.41 19.43,31.54 v2(19.43,31.55)
/DMX_RX: length 27.7
  Top w0.2: U6.1 18.49,31.48 19.17,32.15 19.78,32.15 19.98,31.95 v2(21.9,31.95) ; v2(37.7,36.4) 36.28,34.98 24.22,34.98 v2(24,35.2)
  Bottom w0.2: v2(37.7,36.4) 37.3,36 37.3,33.89 J11.10 ; v2(24,35.2) 23.95,35.2 21.9,33.15 v2(21.9,31.95)
/DMX_TX: length 20.6
  Top w0.2: J11.12 37.87,37.67 35.9,35.7 v2(25.5,35.7) ; v2(23.1,31.3) 23.1,30.9 23,30.8 22.51,30.8 U6.4
  Bottom w0.2: v2(23.1,31.3) 23.1,33.3 v2(25.5,35.7)
/DOUT1: length 31.1
  Top w0.2: v2(31,8.3) 31,8.7 30.79,8.91 U4.1
  Bottom w0.2: v2(31,8.3) 31.7,7.6 39.03,7.6 40,8.57 40,26.11 J11.8
/DOUT1_5V: length 8.4
  Top w0.2: U4.4 31,5.1 32.87,3.23 37.13,3.23 R4.1
/DOUT1_INV: length 3.6
  Top w0.2: U4.2 30.56,7.64 31,7.2 31,6.8 30.57,6.37 U4.3
/DOUT2: length 42.3
  Top w0.2: U4.5 31.38,3.83 v2(31.4,3.85)
  Bottom w0.2: 38.6,35.12 41,32.72 41,7.8 38.95,5.75 31.65,5.75 31.4,5.5 v2(31.4,3.85)
/DOUT2_5V: length 2.4
  Top w0.2: 34.99,1.2 36.8,1.2 R5.1
/DOUT2_INV: length 5.4
  Top w0.2: U4.6 U4.9
/DOUT3: length 33.5
  Top w0.2: v2(33,6.75) 33,6.1 34,5.1 U4.11
  Bottom w0.2: 38.6,30.04 40.4,28.24 40.4,8.4 38.75,6.75 v2(33,6.75)
/DOUT3_5V: length 3.3
  Top w0.2: R6.1 37.2,5.9 36.73,6.37 U4.12
/DOUT3_INV: length 8.2
  Top w0.2: U4.10 33.97,3.83 32.3,5.5 32.3,7.64 U4.13
/DTR: length 14.9
  Top w0.2: v2(9.6,4.3) 9.6,4.9 Q2.2 10.65,5.15 R12.2 ; U2.4 19.6,7.2 v2(19.1,6.7)
  Bottom w0.2: v2(19.1,6.7) 17.55,5.15 10.45,5.15 v2(9.6,4.3)
/IO1: length 47.9
  Bottom w0.2: J5.6 1.6,54.9 4.1,52.4 8.3,52.4 11.05,49.65 11.05,27.12 J10.6
/IO2: length 44.4
  Bottom w0.2: J5.5 3.15,61.01 3.15,55.65 5.4,53.4 8.36,53.4 11.6,50.16 11.6,29.11 J10.7
/IO3: length 42.3
  Bottom w0.2: J10.8 12.15,31.11 12.15,40.96 12,41.11 12,41.89 12.3,42.19 12.3,50.7 8.9,54.1 5.97,54.1 4.14,55.93 4.14,59.46 J5.4
/LINK: length 15.8
  Top w0.2: v2(7.4,40.2) 7.41,40.2 J10.13 ; v2(1.3,39.8) 1.3,38.6
  Bottom w0.2: v2(7.4,40.2) 1.7,40.2 v2(1.3,39.8)
/PDM_CLK: length 31.9
  Top w0.13: U5.3 43.72,2.17 44.3,1.6 44.88,1.6 45.7,2.42 v2(45.7,4.3)
  Top w0.2: J11.7 39.44,24.97 40.5,23.9 v2(42.3,23.9)
  Bottom w0.2: v2(45.7,4.3) 45.77,4.3 48.1,6.63 48.1,18.1 v2(42.3,23.9)
/PDM_DAT: length 26.4
  Top w0.13: v2(46.05,5.55) 45.8,5.3 45,5.3 43.72,4.03 43.72,3.78
  Top w0.2: v2(42.3,22.4) 42.28,22.42 J11.6
  Bottom w0.2: v2(46.05,5.55) 47.4,6.9 47.4,17.3 v2(42.3,22.4)
/RST: length 42.9
  Top w0.2: U1.6 19.73,17.07 19.45,17.34 J10.4 14.3,15.9 R22.1 C14.2 ; SW1.3 4.95,4.35 6.1,5.5 7.5,5.5 8.1,6.1 R24.1 8.3,6.7 v2(9.1,6.7) 9.4,6.4 14.1,6.4 v2(14.2,6.5) 14.6,6.5 15.95,5.15 Q1.3
  Bottom w0.2: TP10.1 9.1,6 v2(9.1,6.7) ; J10.4 14.2,15.8 v2(14.2,6.5)
/RTS: length 6.6
  Top w0.2: R11.2 12.25,3.25 Q1.2 17.25,3.25 17.7,2.8 U2.6
/RX: length 17.3
  Top w0.2: v2(24.1,8.22) 24.1,7.4 R15.2
  Bottom w0.2: 38.46,12.26 36.66,12.26 35.3,10.9 26.78,10.9 v2(24.1,8.22)
/SW: length 5.9
  Top w0.2: C2.2 27.95,22.55 v2(27.95,22.05)
  Bottom w0.2: v2(27.95,22.05) 29.8,20.2 29.8,18.8 v2(30.3,18.3)
/TX: length 20.8
  Top w0.2: U2.9 21.6,4.55 v2(21.62,4.58)
  Bottom w0.2: 38.46,9.72 38.44,9.7 26.75,9.7 v2(21.62,4.58)
/VFUSE: length 47.9
  Top w0.2: 22.1,29.1 22.5,28.7 24.7,28.7 25.4,29.4 26,29.4 R19.1 ; v2(6.7,37.1) R7.1
  Top w0.5: U1.3 19.73,23.33 20.7,24.3 21,24 U1.2
  Top w0.9: C10.1 21.15,24.35 22.3,25.5 22.3,28.9 22.1,29.1 17.83,29.1 17.4,29.53 17.4,30.9
  Top w1.5: 17.7,33.2 23.61,33.2 24.26,33.85 34.64,33.85 34.64,33.85 35.35,33.85 35.5,33.7
  Bottom w0.2: v2(6.7,37.1) 6.7,35.7 9.6,32.8 C1.1
VDC: length 25
  Top w1.5: J3.2 51.18,43 45.1,43 ; 45.1,43 RV1.1 45.1,38.35 Q3.3 44.4,36.35 44.4,34.3 ; 45.1,43 J4.1
  Bottom w1: TP3.1 53.28,40.9 J3.2
Net-(C10-Pad2): length 2.9
  Top w1: C13.1 23.85,24.4 C10.2
Net-(D1-A): length 12.9
  Top w0.2: Q3.1 40.75,37.95 40.6,37.8 40.6,35.1 41.05,34.65 D1.2 41.5,34.51 R21.1 41.5,32.5 41.8,32.2 46.4,32.2 46.7,32.5 Q4.1
Net-(D3-A): length 6.1
  Top w0.2: 1.2,33.6 2.5,33.6 3.4,34.5 3.4,36.8 3.7,37.1 R7.2
Net-(D4-A): length 7.8
  Top w0.2: 1.2,30.3 2.8,30.3 3.8,31.3 3.8,35.4 R8.2
Net-(D4-K): length 22.4
  Top w0.2: D4.1 2.2,31.9 v2(2.7,32.4) ; v2(1.3,14.3) 1.9,14.3 2.3,13.9 2.3,13
  Bottom w0.2: v2(1.3,14.3) 1.3,31 v2(2.7,32.4)
Net-(D5-A): length 8.6
  Top w0.2: R9.2 4.5,29.4 2.1,27 1.2,27
Net-(D6-A): length 4.1
  Top w0.2: R10.2 3.9,38.8 2,36.9 1.2,36.9
Net-(J1-CC1): length 2.2
  Top w0.2: 10.6,21.6 10.35,21.85 J1.A5
Net-(J1-CC2): length 2.3
  Top w0.2: R2.1 10.35,18.85 J1.B5
Net-(J11-Pin_5): length 49.4
  Top w0.2: v2(16.1,42.2) 12.46,42.2 12.26,42 5.27,42 SW3.3 4.98,41.47 4.5,41 R14.2
  Bottom w0.2: v2(16.1,42.2) 17,41.3 17,37.75 21.3,33.45 21.3,29.63 25.43,25.5 27.23,25.5 27.7,25.03 27.7,25.03 28.83,23.9 31.97,23.9 34.2,23.9 38.22,19.89 J11.5
Net-(J12-Pin_1): length 23.8
  Top w0.2: v2(41.1,4.3) 40.4,5 R6.2
  Bottom w0.2: 55.7,9.8 57.6,9.8 57.7,9.9 ; 55.5,9.8 51.2,9.8 49.1,7.7 49.1,4.7 48.03,3.63 41.77,3.63 v2(41.1,4.3)
Net-(J12-Pin_2): length 17.9
  Top w0.2: R5.2 39.4,1.6 v2(39.7,1.9)
  Bottom w0.2: J12.2 TP13.1 50.6,3.1 49.7,2.2 40,2.2 v2(39.7,1.9)
Net-(J12-Pin_3): length 21.5
  Top w0.2: R4.2 39.8,3.3 40.8,2.3 v2(40.8,1)
  Bottom w0.2: v2(40.8,1) 53.8,1 55.6,2.8 ; J12.3 TP12.1
Net-(Q1-B): length 1.5
  Top w0.2: Q1.1 12.35,5.15 R12.1
Net-(Q2-B): length 1.5
  Top w0.2: Q2.1 10.75,3.25 R11.1
Net-(Q5-B): length 7.5
  Top w0.2: Q5.1 1.35,9.45 2,8.8 4.8,8.8 R24.2
Net-(R15-L): length 5.9
  Top w0.2: U2.8 20.6,4.4 21.9,5.7 R15.1
Net-(R16-R): length 1.8
  Top w0.2: R16.2 18.46,23.16 U1.4
Net-(R17-L): length 4.9
  Top w0.2: R17.1 19.4,12.5 18.9,13 R18.2 18.9,14.9 18.46,15.34 U1.5
Net-(R20-R): length 5.6
  Top w0.2: SW4.2 28,32.6 27.8,32.8 24.7,32.8 24.3,32.4 R20.2
Net-(R23-R): length 2.1
  Top w0.2: R23.2 U7.8
Net-(U1-BOOT): length 4.8
  Top w0.2: U1.1 22.27,22.37 22.5,22.6 25.6,22.6 C2.1
Net-(U7-CFG1): length 4.4
  Top w0.2: U7.9 32.77,28.3 32.5,28.58 32.5,29.6 32,30.1 SW4.3
Net-(U7-DM): length 47.9
  Top w0.2: v2(30.14,24.98) 29.83,24.67 28.42,24.67 28.15,24.95 U7.5 ; J7.A7 51.55,54.25 v2(52,53.8) 52.23,53.8 52.55,54.12 J7.B7
  Bottom w0.2: v2(30.14,24.98) 30.35,25.2 32.1,25.2 35.6,28.7 35.6,28.83 35.3,29.13 35.3,37.97 36.2,38.87 36.2,41.7 36.5,42 38.2,43.7 38.2,43.74 38.2,44.53 39.47,45.8 44.6,45.8 52,53.2 v2(52,53.8)
Net-(U7-DP): length 49.5
  Top w0.2: U7.4 29.02,26.3 29.4,25.92 v2(29.4,25.3) ; J7.A6 52.05,56.07 51.72,56.4 v2(51.5,56.4) 51.05,55.95 J7.B6
  Bottom w0.2: v2(29.4,25.3) 29.77,25.67 31.87,25.67 34.9,28.7 34.9,38.13 35.8,39.03 35.8,41.91 37.8,43.91 37.8,44.7 39.3,46.2 44.1,46.2 51.3,53.4 51.3,56.2 v2(51.5,56.4)

## Copper pours and planes (outline as drawn; the poured copper is in the pictures)
+5V on Top: 31.2,24.1 35.2,24.1 35.2,21.5 43.8,21.5 43.8,24.9 47.3,24.9 47.3,18.2 31.2,18.2
GND on Top, Bottom: 0.2,63.4 60.3,63.4 60.3,0.2 0.2,0.2
/SW on Top: 21.9,17.4 23.4,17.4 23.4,18.7 36.1,18.7 36.1,12.4 26.9,12.4 26.9,14.3 21.9,14.3
/VFUSE on Top: 17.92,34.49 8.2,34.5 8.2,30.7 17.92,30.69
/VFUSE on Top: 35.1,34.6 55.2,34.5 55.2,27.9 35.1,28

## Text on the board
B.Silkscreen: GND | 5V | 3V3 | VBUS | VDC | DOUT1 | DOUT3 | DOUT2 | PDM MIC / WS/CLK:15 / SD/DAT:36 | D- | D+ | RS485 / TX:2 / RX:35 / DR:32 | DL | TX | RX | RST | v0.49 | CuVoodoo | ETH
F.Silkscreen: 5V | 3V | LINK | G | + | - | B0 | 39 | 0V | 12V | 20V | 33 | 5 | 17 | >7V | PROG | RST | 4 | 14 | 12 | CONF RST | I/O | 5-60V | PD/BC | +5-60V- | PD | v0.49 | PWR / IN | DMX | + 5V/2.5A - | LED DOUT | WT32-ETH01 | PWR OUT | WLED | ETH
Case2.Fab: pre-drilled holes / 2xd20mm
